# Altium PCB BB.PcbDoc (part 5 of 9)
Units mil, origin at the board's own origin, x right, y up, seen from the top; angles counter-clockwise.
Board outline 6860 x 3500 mil, 6 copper layers (Component Side, Ground Plane (GND), Inner Layer 1, Inner Layer 2, Power Plane (VCC), Solder Side), stack 51.068 mil thick; 496 components, 500 nets, 2194 pads, 1226 vias.
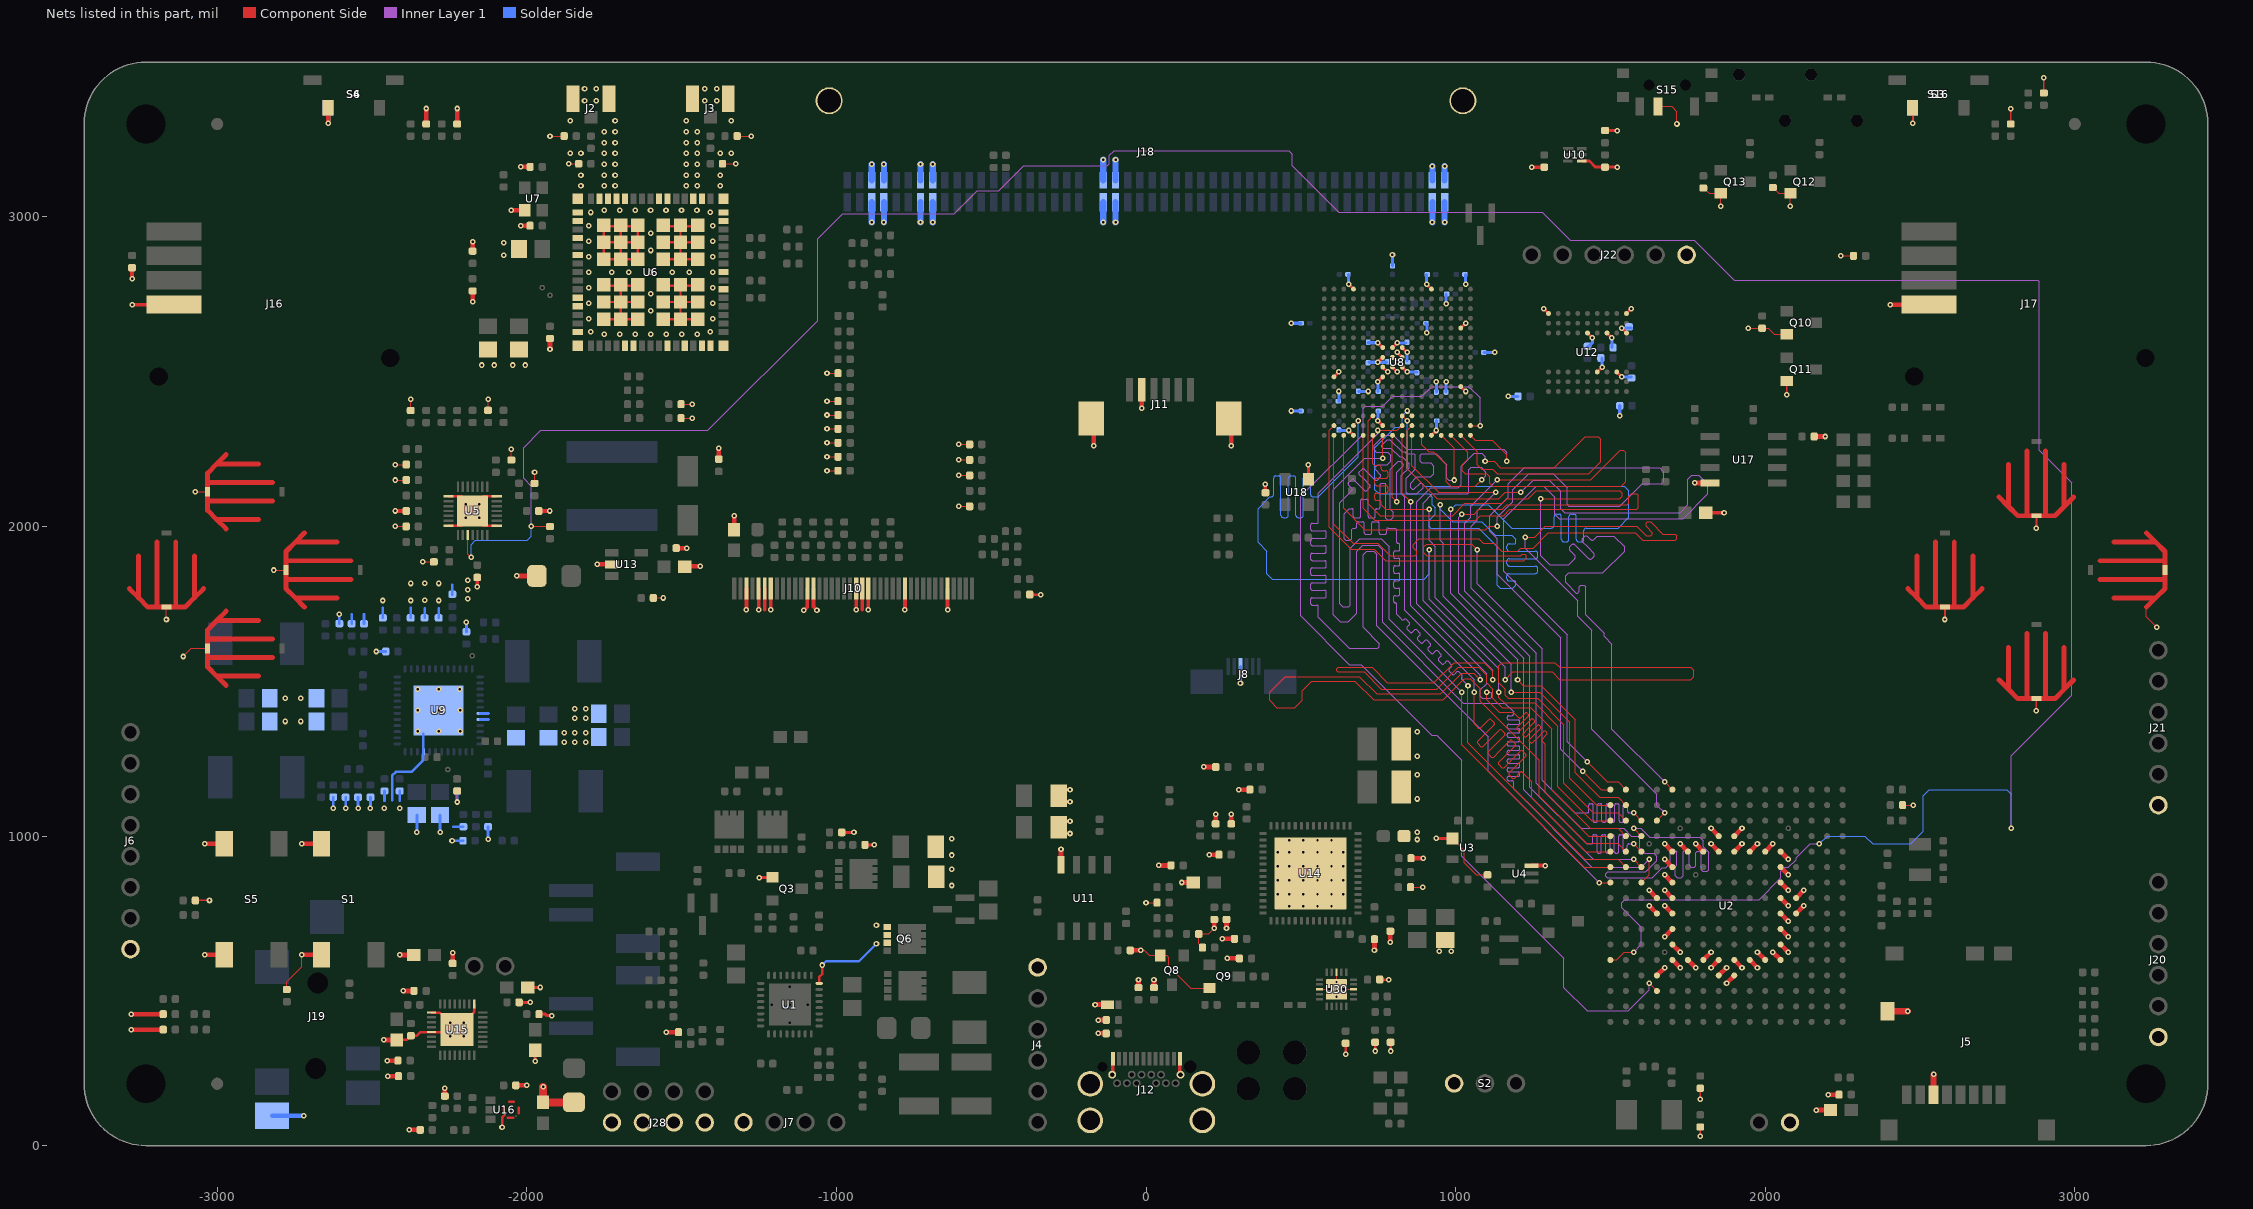
[diagram p9: the nets of this part, all layers, seen from the top]

## Via types
v1: diameter 18, hole 8, Component Side to Solder Side, tented both sides, 1183 vias
v2: diameter 19.68, hole 8, Component Side to Solder Side, tented bottom, 32 vias
v3: diameter 19.68, hole 7.87, Component Side to Solder Side, tented bottom, 4 vias
v4: diameter 19.68, hole 8, Component Side to Solder Side, tented both sides, 4 vias
v5: diameter 18, hole 8, Component Side to Solder Side, tented bottom, 3 vias

## Nets (pads, with @x,y where several pads share a name; then routed paths per layer and width w, separated by ;. In a path a pad name is that pad's centre, name@x,y a point inside that pad or via, vN(x,y) a via of type N, cw(c..) or ccw(c..) an arc to the next point about the centre after c; other vN are vias at no path point) (continued)
GND: C8.1 C9.1 C10.1 C11.1 C12.1 C13.1 C14.1 C23.1 C26.1 C27.1 C28.1 C29.1 C30.1 C31.1 C32.1 C36.2 C37.2 C42.1 C45.1 C46.1 C47.1 C48.1 C49.1 C50.1 C51.1 C52.1 C53.1 C54.1 C55.1 C56.1 C57.1 C58.1 C59.1 C60.1 C61.1 C62.1 C65.1 C66.1 C67.1 C68.1 C69.1 C70.1 C71.1 C72.1 C73.1 C74.1 C75.1 C76.1 C77.1 C78.1 C79.1 C80.1 C82.1 C83.1 C84.1 C85.1 C86.1 C87.1 C88.1 C89.1 C90.1 C92.1 C93.1 C94.1 C95.1 C96.1 C97.1 C100.1 C101.1 C102.1 C103.1 C106.1 C107.2 C108.2 C109.1 C110.1 C111.1 C112.1 C113.1 C114.1 C115.1 C116.1 C117.1 C118.1 C119.1 C120.1 C121.1 C122.1 C123.1 C124.1 C125.1 C126.1 C127.1 C128.1 C129.1 C130.1 C131.1 C132.1 C133.1 C134.1 C135.1 C136.1 C137.1 C139.1 C140.1 C141.1 C142.1 C143.1 C145.1 C146.1 C147.1 C148.1 C149.1 C151.1 C152.1 C153.1 C154.1 C155.1 C156.1 C158.1 C159.1 C160.1 C161.1 C162.1 C163.1 C164.1 C165.1 C170.1 C171.1 D7.2 J1.2 J2.1 J2.2 J3.1 J3.2 J4.1 J5.6 J5.9 J6.8 J7.1 J8.4 J10.3 J10.5 J10.6 J10.7 J10.13 J10.14 J10.21 J10.22 J10.23 J10.29 J10.36 J11.2 J11.MP1 J11.MP2 J12.A1 J12.A12 J12.B1 J12.B12 J12.M1 J12.M2 J12.M3 J12.M4 J16.4 J17.4 J18.5 J18.6 J18.7 J18.8 J18.13 J18.14 J18.15 J18.16 J18.41 J18.42 J18.43 J18.44 J18.95 J18.96 J18.97 J18.98 J18.G1 J18.G2 J19.1 J20.1 J21.1 J22.1 J28.1 J28.2 J28.3 J28.4 L2.1 L3.1 L5.1 L6.1 Q3.1 Q6.1 Q6.2 Q6.3 Q8.2 Q9.2 Q10.2 Q11.2 Q12.2 Q13.2 R6.2 R7.2 R8.2 R9.2 R10.2 R11.2 R12.2 R13.2 R14.2 R15.2 R16.2 R27.2 R34.2 R35.1 R45.1 R52.2 R55.1 R60.1 R75.2 R76.2 R77.1 R78.1 R105.2 R106.2 R107.2 R129.2 R131.2 R132.2 R135.1 R137.1 R148.1 R149.1 R154.2 R156.1 R159.2 R160.2 R161.2 R162.2 R164.2 R166.2 R170.2 R183.2 R184.2 R188.2 R189.2 R192.2 R194.2 R196.1 S1.3 S1.4 S2.1 S3.2 S4.2 S5.3 S5.4 S6.1 S7.2 S8.2 S9.2 S10.2 S11.2 S12.2 S13.2 S14.2 S15.2 S16.1 T2.2 T19.2 U1.24 U2.D8 U2.D9 U2.E5 U2.E6 U2.E7 U2.E8 U2.E9 U2.E10 U2.E11 U2.E12 U2.F5 U2.F12 U2.G5 U2.G12 U2.H4 U2.H5 U2.H12 U2.H13 U2.J4 U2.J5 U2.J12 U2.J13 U2.K5 U2.K12 U2.L5 U2.L12 U2.M5 U2.M6 U2.M7 U2.M8 U2.M9 U2.M10 U2.M11 U2.M12 U2.N8 U2.N9 U2.N13 U3.1 U4.3 U5.1 U5.7 U5.15 U5.21 U5.29 U6.1 U6.7 U6.9 U6.15 U6.16 U6.17 U6.19 U6.20 U6.23 U6.24 U6.28 U6.29 U6.30 U6.31 U6.33 U6.34 U6.35 U6.37 U6.39 U6.44 U6.45 U6.48 U6.49 U6.54 U6.55 U6.59 U6.61 U6.63 U6.64 U6.G1 U6.G2 U6.G3 U6.G4 U6.G5 U6.G6 U6.G7 U6.G8 U6.G9 U6.G10 U6.G11 U6.G12 U6.G13 U6.G14 U6.G15 U6.G16 U6.G17 U6.G18 U6.G19 U6.G20 U6.G21 U6.G22 U6.G23 U6.G24 U6.G25 U6.G26 U6.G27 U6.G28 U6.G29 U6.G30 U6.G31 U6.G32 U6.G33 U6.G34 U6.G35 U6.G36 U7.2 U8.A4 U8.A12 U8.E15 U8.G7 U8.G8 U8.G9 U8.H7 U8.H8 U8.H9 U8.J7 U8.J8 U8.J9 U8.K2 U8.K7 U8.L15 U8.R7 U8.T4 U8.T12 U9.7 U9.8 U9.21 U9.49 U10.4 U11.4 U12.A1 U12.A3 U12.B7 U12.C3 U12.D7 U12.E3 U12.J1 U13.2 U14.57 U15.17 U15.25 U15.29 U15.33 U16.4 U17.4 U18.2 U30.8 U30.13 U30.18 U30.21@615.32,505 | length 15946.1
  Component Side w4: v1(-3163.78,1699.5) S12.2@-3163.78,1739.25 ; v1(-3110,1580) -3083.7,1606.3 S10.2@-3030.83,1606.3 ; v1(-3070.58,2112.21) S14.2@-3030.83,2112.21 ; v1(-2817.63,1859.25) S13.2@-2777.87,1859.25 ; C67.1@-2775,504.37 -2775,530 -2727.17,577.83 v1(-2727.17,616.73) ; v1(-2425.32,2000) C55.1@-2389.68,2000 ; v1(-2425,2150) C52.1@-2389.37,2150 ; v1(-2425,2200) C54.1@-2389.37,2200 ; C58.1@-2375,2374.69 v1(-2375,2410.32) ; v1(-2335.94,1885.63) C53.1@-2300.32,1885.63 ; v1@-2224.59,1110 R135.1@-2224.59,1145.28 ; C60.1@-2125.06,2375 v1(-2125.06,2410.63) ; C59.1@-2050,2214.37 v1(-2050,2250) ; C61.1@-1975,2139.04 v1(-1975,2174.67) ; v1(-1925,3260.81) L3.1@-1879.37,3260.81 ; v1(-1865,3171.44) L2.1@-1832.28,3171.44 ; R106.2@-1591.14,1769 v1(-1559.75,1769) ; R77.1@-1501.63,2350 v1(-1466,2350) ; R78.1@-1501.63,2395 v1(-1466,2395) ; L5.1@-1367.72,3171.44 v1(-1325,3171.44) ; L6.1@-1320.63,3260.81 v1(-1275,3260.81) ; v1(-1030.32,2180) R10.2@-994.69,2180 ; v1(-1030.32,2225) R11.2@-994.68,2225 ; v1(-1030.32,2270) R12.2@-994.69,2270 ; v1(-1030.32,2315) R13.2@-994.69,2315 ; v1(-1030.32,2360) R14.2@-994.69,2360 ; v1(-1030.32,2405) R15.2@-994.69,2405 ; v1(-1030.32,2495) R16.2@-994.69,2495 ; v1(-605.32,2065) R6.2@-569.69,2065 ; v1(-605.32,2165) R7.2@-569.69,2165 ; v1(-605.32,2215) R8.2@-569.69,2215 ; v1(-605.32,2265) R9.2@-569.69,2265 ; v1(-16.57,631) -6,631 10,615 45.84,615 Q8.2@46.6,614.24 66.76,614.24 73.6,607.4 73.6,579.4 143.8,509.2 Q9.2@205,509.2 ; v1(0,784.96) 30.39,784.96 R55.1@30.63,785.2 ; R159.2@182.31,640 170.37,651.94 R160.2@170.37,684 202.62,684 v1(220.63,702.01) ; U30.18@560.2,505 v1(591.69,505) v1(615.32,505) ; U30.13@615.32,560.12 v1(615.32,528.62) v1(615.32,505) ; U30.8@670.43,505 v1(638.94,505) v1(615.32,505) ; R164.2@854.37,835 v1(893.74,835) ; U3.1@990.19,992.36 1028,954.55 1028,913.19 1066.51,874.69 R52.2@1103,874.69 ; S15.2@1653.65,3356.7 1698.3,3356.7 1715,3340 v1(1715,3300) ; R170.2@1800,3094.69 1818.49,3076.2 Q13.2@1856.19,3076.2 v1(1856.19,3034.37) ; v1(1945.4,2640.31) R189.2@1990,2640.31 2009.69,2640.31 2029.4,2620.6 Q10.2@2069.76,2620.6 ; R129.2@2025,3094.69 2043.49,3076.2 Q12.2@2081.19,3076.2 v1(2081.19,3034.37) ; v1(2243.49,2874.02) C87.1@2285.32,2874.02 ; R183.2@2443.7,1100 v1(2478.39,1100) ; 3231.06,1739.25 3231.06,1708.94 v1(3265,1675)
  Component Side w5: C56.1@-3070.45,792 v1(-3024.82,792) ; v1(2069.76,2425) Q11.2@2069.76,2469.6 ; v1(2476.38,3302.3) S3.2@2476.38,3351.97 ; C51.1@2793.11,3300 v1(2793.11,3349.67) ; C93.1@2900,3400 v1(2900,3449.67)
  Component Side w6: v1(1790.18,30.14) R60.1@1790.18,60.45 ; v1(1790.18,150.57) C86.1@1790.18,185.45 ; v1(2580.51,1699.5) S8.2@2580.51,1739.25 ; v1(2875.33,1405) S9.2@2875.33,1443.52 ; v1(2875.79,1994.77) S7.2@2875.79,2034.53
  Component Side w8: C77.1@-2420.16,341.46 -2388.17,341.46 C78.1@-2374.39,355.24 -2354.67,355.24 -2342.86,367.05 U15.33@-2274.7,367.05 ; U15.25@-2307.68,430.04 -2281.48,430.04 U15.33@-2271.18,419.75 ; U5.7@-2252.76,2002.76 U5.29@-2210,2002.76 ; U5.1@-2252.76,2097.24 U5.29@-2210,2097.24 ; U15.33@-2180.18,421.11 -2169.88,431.4 U15.17@-2169.88,457.6 ; U5.29@-2140,2002.76 U5.15@-2097.24,2002.76 ; U5.29@-2140,2097.24 U5.21@-2097.24,2097.24 ; v1(-2080,60) -2080,91.18 U16.4@-2070.9,100.28 ; -2074.23,108.1 -2074.23,126.28 ; -2061.01,90.92 -2042.89,90.92 ; -2057.29,141.16 -2049.29,141.16 -2041.29,141.16 ; -2026.54,104.75 -2026.54,122.44 ; U6.G33@-1751.57,2777.09 U6.G27@-1696.46,2777.09 ; U6.G34@-1751.57,2862.78 U6.G35@-1751.57,2917.89 U6.G36@-1751.57,2970 ; U6.G36@-1751.57,2973.01 U6.G36@-1751.57,2970 ; U6.G31@-1748.56,2669.86 U6.G25@-1696.46,2669.86 ; U6.G32@-1748.56,2724.98 U6.G26@-1696.46,2724.98 ; U6.G34@-1748.56,2862.78 U6.G28@-1696.46,2862.78 ; U6.G35@-1748.56,2917.89 U6.G29@-1696.46,2917.89 ; U6.G20@-1644.35,2724.98 U6.G26@-1696.46,2724.98 ; U6.G23@-1644.35,2917.89 U6.G29@-1696.46,2917.89 ; U6.G19@-1641.34,2669.86 U6.G25@-1696.46,2669.86 ; U6.G21@-1641.34,2777.09 U6.G27@-1696.46,2777.09 ; U6.G24@-1641.34,2973.01 U6.G24@-1641.34,2970 ; U6.G15@-1558.66,2777.09 U6.G9@-1503.54,2777.09 ; U6.G18@-1558.66,2970 U6.G12@-1503.54,2970 ; U6.G13@-1555.65,2669.86 U6.G7@-1503.54,2669.86 ; U6.G14@-1555.65,2724.98 U6.G8@-1503.54,2724.98 ; U6.G16@-1555.65,2862.78 U6.G10@-1503.54,2862.78 ; U6.G17@-1555.65,2917.89 U6.G11@-1503.54,2917.89 ; U6.G2@-1451.44,2724.98 U6.G8@-1503.54,2724.98 ; U6.G5@-1451.44,2917.89 U6.G11@-1503.54,2917.89 ; U6.G1@-1448.43,2669.86 U6.G7@-1503.54,2669.86 ; U6.G3@-1448.43,2777.09 U6.G9@-1503.54,2777.09 ; U6.G4@-1448.43,2862.78 U6.G10@-1503.54,2862.78 ; U6.G6@-1448.43,2970 U6.G12@-1503.54,2970 ; U1.24@-1055.59,524.39 -1055.59,544.27 -1045.59,554.27 v1(-1045.59,583.44) ; R105.2@-375.63,1780 v1(-340,1780) ; v1(645,295) C126.1@645,330.63 ; v1(740,305.71) R161.2@740,333.82 ; C125.1@754.68,536.5 v1(783.5,536.5) ; v1(789.9,305.71) R162.2@789.9,333.82 ; U6.G36@-1751.57,2970 U6.G30@-1696.46,2970 ; U6.G25@-1696.46,2669.86 U6.G26@-1696.46,2724.98 ; U6.G26@-1696.46,2724.98 U6.G27@-1696.46,2777.09 ; U6.G28@-1696.46,2862.78 U6.G29@-1696.46,2917.89 ; U6.G28@-1696.46,2862.78 U6.G22@-1641.34,2862.78 U6.G23@-1641.34,2917.89 U6.G24@-1641.34,2970 ; U6.G29@-1696.46,2917.89 U6.G30@-1696.46,2970 ; U6.G30@-1696.46,2970 U6.G24@-1641.34,2970 ; U6.G7@-1503.54,2669.86 U6.G8@-1503.54,2724.98 ; U6.G8@-1503.54,2724.98 U6.G9@-1503.54,2777.09 ; U6.G10@-1503.54,2862.78 U6.G11@-1503.54,2917.89 ; U6.G11@-1503.54,2917.89 U6.G12@-1503.54,2970
  Component Side w10: C80.1@-2024.73,463 v1(-1988.73,463) ; C79.1@-1997.17,511 v1(-1957.17,511) ; v1(-1972.88,272.3) C73.1@-1972.88,307.82 ; C76.1@-1960.63,425 -1940,425 -1935,420 v1(-1920,420) ; v1(-1249.8,865.92) Q3.1@-1206.49,865.92 ; R27.2@-982.76,1011.83 v1(-943.23,1011.83) ; C23.1@-907.72,971.55 v1(-877.09,971.55) ; U18.2@524.41,2152.56 v1(524.41,2199.8) ; U8.K2@607.09,2483.27 v1(622.83,2499.02) ; v1(654.33,2310.04) U8.T4@670.08,2294.29 ; v1(654.33,2782.48) U8.A4@670.08,2766.73 ; v1(748.82,2341.53) U8.R7@764.57,2325.79 ; v1(748.82,2467.52) U8.K7@764.57,2483.27 ; v1(748.82,2530.51) U8.H7@764.57,2546.26 ; v1(748.82,2593.5) U8.G7@764.57,2577.76 ; U8.J7@764.57,2514.76 v1(780.31,2499.02) ; U8.J8@796.06,2514.76 v1(811.81,2499.02) ; U8.H8@796.06,2546.26 v1(811.81,2530.51) ; U8.G8@796.06,2577.76 v1(811.81,2593.5) ; v1(811.81,2562.01) U8.H9@827.56,2546.26 ; U8.J9@827.56,2514.76 v1(843.31,2499.02) ; U8.G9@827.56,2577.76 v1(843.31,2562.01) ; v1(906.3,2782.48) U8.A12@922.05,2766.73 ; U8.T12@922.05,2294.29 v1(937.8,2310.04) ; v1(937.36,992.36) U3.1@990.19,992.36 ; U8.L15@1016.54,2451.77 v1(1032.28,2436.02) ; U8.E15@1016.54,2640.75 v1(1032.28,2656.5) ; v1(1246.36,3160.3) C31.1@1286.36,3160.3 ; v1(1284.25,2703.74) U12.J1@1300,2687.99 ; U10.4@1407.64,3180.32 1432.32,3180.31 1452.01,3160.63 C103.1@1482.64,3160.63 v1(1522.64,3160.63) ; U12.E3@1425.98,2625 v1(1441.73,2609.25) ; U12.D7@1457.48,2499.02 v1(1473.23,2514.76) ; C57.1@1482.64,3278.74 v1(1522.64,3278.74) ; U12.C3@1488.98,2625 v1(1504.72,2609.25) ; U12.B7@1520.47,2499.02 v1(1536.22,2483.27) ; v1(1536.22,2640.75) U12.A3@1551.97,2625 ; U12.A1@1551.97,2687.99 v1(1567.72,2703.74) ; T2.2@1807.87,2044.25 v1(1866.93,2044.25)
  Component Side w12: v1(-3275,2800) C85.1@-3275,2835.63 ; v1(-3274.02,2716.55) J16.4@-3139.75,2716.55 ; v1(-2425,2050) C8.1@-2389.37,2050 ; v1(-2160,1805) C9.1@-2160,1835.63 ; C10.1@-1961.38,2050 v1(-1925.75,2050) ; v1(-1290.55,1731.22) J10.3@-1290.55,1800 ; v1(-1251.18,1731.22) J10.5@-1251.18,1800 ; -1231.5,1731.22 J10.6@-1231.5,1800 ; v1(-1211.81,1731.22) J10.7@-1211.81,1800 ; v1(-1105,1729.33) -1093.7,1740.63 J10.13@-1093.7,1800 ; J10.14@-1074.02,1800 -1074.02,1740.63 v1(-1062.72,1729.33) ; v1(-936.22,1731.22) J10.21@-936.22,1800 ; -916.54,1731.22 J10.22@-916.54,1800 ; v1(-896.85,1731.22) J10.23@-896.85,1800 ; v1(-778.74,1731.22) J10.29@-778.74,1800 ; v1(-640.94,1731.22) J10.36@-640.94,1800 ; J12.B12@-107.17,229.21 J12.A1@-107.17,280.79 ; J12.B1@109.37,229.21 J12.A12@109.37,280.79 ; C170.1@385.54,2109.25 v1(385.54,2136.81) ; U4.3@1245.2,904.59 v1(1290,904.59)
  Component Side w15: v1(-3277.95,374.96) R131.2@-3174.37,374.96 ; v1(-3277.95,425) R132.2@-3174.37,425 ; v1(-3040.75,616.73) S5.4@-2977.17,616.73 ; v1(-3040.75,975) S5.3@-2977.17,975 ; v1(-2727.17,616.73) S1.4@-2663.58,616.73 ; v1(-2727.17,975) S1.3@-2663.58,975 ; v1(-2641.73,3301.97) S4.2@-2641.73,3351.97 ; v1(-2461.52,341.46) C77.1@-2420.16,341.46 ; v1(-2451.22,274.75) C82.1@-2416.22,274.75 ; v1(-2449.53,224.75) C84.1@-2414.53,224.75 ; v1(-2410.5,616) C109.1@-2364.93,616 ; v1(-2399.37,499.75) C83.1@-2364.37,499.75 ; v1(-2379.37,51) C108.2@-2344.37,51 ; C50.1@-2325,3300 v1(-2325,3350) ; C107.2@-2264.74,160.12 v1(-2264.74,185.75) ; C110.1@-2239.42,588.79 v1(-2239.42,623.79) ; C92.1@-2225,3300 v1(-2225,3350) ; v1(-2175,2726.44) R75.2@-2175,2760.63 ; R76.2@-2175,2889.37 v1(-2175,2920) ; v1(-2050,3021.44) U7.2@-2007.09,3021.44 ; C106.1@-2035.5,195 v1(-2000.5,195) ; v1(-2032.71,1840.2) R107.2@-1967.24,1840.2 ; v1(-2020,2971.44) C29.1@-1989.37,2971.44 ; v1(-2020,3161.44) C42.1@-1989.37,3161.44 ; v1(-1925,2572.87) C13.1@-1925,2607.07 ; v1(-1772.91,1877.6) U13.2@-1725,1877.6 ; v1(-1549.52,366.91) R35.1@-1509.99,366.91 ; C48.1@-1516.51,1929 C48.1@-1517.51,1930 v1(-1483.88,1930) ; C47.1@-1489.95,1870 -1488.95,1871 v1(-1439.88,1871) ; C49.1@-1380,2217.37 v1(-1380,2253) ; C62.1@-1330.33,1989.93 v1(-1330.33,2035.2) ; U11.4@-274.53,907.17 v1(-274.53,957.17) ; v1(-169.2,2260) J11.MP1@-169.2,2349.02 ; v1(-164.69,455.79) D7.2@-124.76,455.79 ; v1(-154.45,362.64) C124.1@-128.82,362.64 ; v1(-153.74,405.79) C122.1@-128.11,405.79 ; C96.1@-50.87,631 v1(-16.57,631) ; C121.1@-24.21,510.67 v1(-24.21,536.3) ; v1(-13.81,2381.19) J11.2@-13.81,2441.54 ; C123.1@25.79,510.67 v1(25.79,536.3) ; v1(41.26,905.1) R148.1@80.63,905.1 ; v1(115,850) 152.95,850 C101.1@153.07,850.08 ; v1(185.91,1223.27) R137.1@225.28,1223.27 ; v1@208.07,940 C100.1@235.63,940 ; v1(220.63,702.01) R45.1@220.63,730.63 ; R149.1@225,1039.58 v1(225,1070) ; v1(246.26,668) C75.1@285.63,668 ; v1(260,702.01) C102.1@260,730.63 ; v1(262.26,605) C30.1@301.63,605 ; R156.1@275.35,1039.58 v1(275.35,1070) ; v1(275.69,2260) J11.MP2@275.69,2349.02 ; v1(300,1150) C74.1@335.63,1150 ; v1(737.95,631.57) C97.1@737.95,667.01 ; v1(789.13,657.17) C28.1@789.13,692.6 ; R154.2@856.06,928.6 v1(895.43,928.6) ; v1(1625,774.82) U2.N9@1650,749.82 ; v1(1625,824.82) U2.N8@1650,799.82 ; U2.N13@1650,549.82 v1(1675,574.82) ; v1(1675,674.82) U2.M10@1700,699.82 ; v1(1675,774.82) U2.M9@1700,749.82 ; v1(1675,824.82) U2.M8@1700,799.82 ; v1(1675,874.82) U2.M7@1700,849.82 ; v1(1675,924.82) U2.M6@1700,899.82 ; v1(1675,974.82) U2.M5@1700,949.82 ; U2.M12@1700,599.82 v1(1725,574.82) ; U2.M11@1700,649.82 v1(1725,624.82) ; v1(1725,974.82) U2.L5@1750,949.82 ; U2.L12@1750,599.82 v1(1775,574.82) ; v1(1772.44,2140.55) U17.4@1821.65,2140.55 ; v1(1775,974.82) U2.K5@1800,949.82 ; U2.K12@1800,599.82 v1(1825,624.82) ; v1(1825,574.82) U2.J12@1850,599.82 ; v1(1825,974.82) U2.J5@1850,949.82 ; v1(1825,1025) U2.J4@1850,1000 ; U2.J13@1850,549.82 v1(1875,574.82) ; v1(1875,524.39) U2.H13@1900,549.39 ; U2.H12@1900,599.82 v1(1925,574.82) ; U2.H5@1900,949.82 v1(1925,974.82) ; U2.H4@1900,999.82 v1(1925,1024.82) ; U2.G12@1950,599.82 v1(1975,574.82) ; U2.G5@1950,949.82 v1(1975,974.82) ; v1(1975,624.82) U2.F12@2000,599.82 ; U2.F5@2000,949.82 v1(2025,974.82) ; v1(2025,624.82) U2.E12@2050,599.82 ; U2.E11@2050,649.82 v1(2075,624.82) ; U2.E10@2050,699.82 v1(2075,674.82) ; U2.E9@2050,749.82 v1(2075,724.82) ; U2.E8@2050,799.82 v1(2075,774.82) ; U2.E7@2050,849.82 v1(2075,824.82) ; U2.E6@2050,899.82 v1(2075,874.82) ; U2.E5@2050,949.82 v1(2075,924.82) ; U2.D9@2100,749.82 v1(2125,774.82) ; U2.D8@2100,799.82 v1(2125,824.82) ; C171.1@2158.27,2290.55 v1(2193.9,2290.55) ; v1(2165,115) C45.1@2210.94,115 ; v1(2203.15,165) C46.1@2238.5,165 ; v1(2404.55,2716.55) J17.4@2529.55,2716.55
  Component Side w20: J5.9@2395,434.21 v1(2460.47,434.21) ; J5.6@2543.82,164.53 v1(2543.82,230)
  Component Side w25: v1(-1947.4,190) T19.2@-1947.4,139.72 R34.2@-1847.58,139.72
  Solder Side w5: v1(2476.38,3302.3) S16.1@2476.38,3351.97
  Solder Side w8: -2435,1115 -2435,1195 -2423,1207 -2373,1207 -2333.74,1246.26 U9.21@-2333.74,1272.28 U9.49@-2333.74,1331.14 ; v1(-1045.59,583.44) -1033.34,595.69 -927.19,595.69 v1(-870.55,652.32)
  Solder Side w9: -2625,1100 R188.2@-2625,1125.63 ; R192.2@-2605.53,1686.14 v1(-2605.53,1716.77) ; -2585,1099.69 C147.1@-2585,1125.31 ; C153.1@-2565.53,1685.83 -2565.53,1716.46 ; -2545,1099.69 C148.1@-2545,1125.31 ; C154.1@-2525.53,1685.83 -2525.53,1716.46 ; -2505,1099.69 C149.1@-2505,1125.31 ; v1(-2485.84,1596.14) C155.1@-2455.21,1596.14 ; R196.1@-2465.53,1705.83 -2465.53,1736.46 ; -2460,1114 C156.1@-2460,1145.31 ; -2410.5,1114 C158.1@-2410.5,1145.31 ; R194.2@-2374.69,1705.83 -2374.69,1736.46 ; v1(-2355,1012.28) C160.1@-2355,1067.6 ; C137.1@-2329.53,1705.51 -2329.53,1736.14 ; C115.1@-2284.53,1705.51 -2284.53,1736.14 ; v1(-2280,1012.28) C159.1@-2280,1067.6 ; C114.1@-2240.84,1780.51 -2240.84,1780.83 -2240.84,1811.14 ; v1@-2237.51,984.83 C141.1@-2206.2,984.83 ; -2236.31,1030.32 C142.1@-2205,1030.32 ; v1@-2225,1114 C143.1@-2225,1145.31 ; R166.2@-2195,1659.69 v1(-2195,1691) ; U9.7@-2150.67,1396.3 -2123.94,1396.3 ; U9.8@-2150.53,1376.61 -2123.94,1376.61 ; -2125,999 R184.2@-2125,1030.31
  Solder Side w10: v1(305.12,1493.35) J8.4@305.12,1547.24 ; v1(469.29,2373.03) C135.1@500.79,2373.03 ; v1(469.29,2656.5) C132.1@500.79,2656.5 ; C131.1@622.83,2310.04 v1(654.33,2310.04) ; C165.1@622.83,2404.53 v1(622.83,2436.02) ; v1(654.33,2782.48) C117.1@654.33,2813.98 ; C161.1@685.83,2436.02 v1(717.32,2436.02) ; C163.1@717.32,2593.5 v1(748.82,2593.5) ; C133.1@721.02,2530.51 v1(748.82,2530.51) C134.1@776.62,2530.51 ; v1(748.82,2341.53) C129.1@748.82,2373.03 ; C130.1@748.82,2436.02 v1(748.82,2467.52) ; C111.1@796.06,2841.54 v1(796.06,2876.97) ; v1@811.81,2592.8 C95.1@839.61,2592.8 ; C127.1@842.61,2534.2 v1@842.61,2562.01 ; v1(843.31,2499.02) C164.1@874.8,2499.02 ; C162.1@903.31,2656.5 907,2652.8 v1(907,2625) ; v1(906.3,2782.48) C116.1@906.3,2813.98 ; v1(937.8,2310.04) C128.1@937.8,2341.54 ; C94.1@937.8,2434.06 v1(937.8,2467.52) ; C118.1@969.29,2434.06 v1(969.29,2467.52) ; v1(969.29,2719.49) C120.1@969.29,2750.98 ; v1(1032.28,2782.48) C136.1@1032.28,2813.98 ; C119.1@1091.34,2562.01 v1(1126.77,2562.01) ; v1(1169.84,2420.28) C70.1@1201.57,2420.28 ; C71.1@1425.98,2581.69 1429.92,2581.69 1441.73,2593.5 v1(1441.73,2609.25) ; v1@1473.23,2512.8 v1(1473.23,2514.76) C66.1@1473.23,2544.29 ; C65.1@1504.72,2577.76 v1(1504.72,2609.25) ; v1(1530.32,2358.27) C72.1@1530.32,2390 ; v1(1536.22,2483.27) C68.1@1567.72,2483.27 ; v1(1536.22,2640.75) C69.1@1567.72,2640.75
  Solder Side w15: J19.1@-2822.64,96.46 v1(-2720.83,96.46) ; v1(-2641.73,3301.97) S6.1@-2641.73,3351.97
  Solder Side w20: v1(-885.83,2981.93) J18.6@-885.83,3047 ; J18.5@-885.83,3118.5 v1(-885.83,3170) ; v1(-846.46,2981.93) J18.8@-846.46,3047 ; J18.7@-846.46,3118.5 v1(-846.46,3170) ; v1(-728.35,2981.93) J18.14@-728.35,3047 ; J18.13@-728.35,3118.5 v1(-728.35,3170) ; v1(-688.98,2981.93) J18.16@-688.98,3047 ; J18.15@-688.98,3118.5 v1(-688.98,3170) ; v1(-137.8,2981.93) J18.42@-137.8,3047 ; J18.41@-137.8,3118.5 v1(-137.8,3185) ; v1(-98.43,2981.93) J18.44@-98.43,3047 ; J18.43@-98.43,3118.5 v1(-98.43,3185) ; v1(925.19,2981.93) J18.96@925.19,3047 ; J18.95@925.19,3118.5 v1(925.19,3163.57) ; v1(964.56,2981.93) J18.98@964.56,3047 ; J18.97@964.56,3118.5 v1(964.56,3163.57)
  other v1: 615.32,481.38 946.61,627.64 985.98,627.64 -870.55,711.38 -627.56,840.33 -627.56,893.48 -627.56,938.76 204.13,940 -2241.51,984.83 875.75,988.9 -2125,990 -627.56,991.91 -245.49,1008.27 875.75,1012.52 -245.49,1047.64 -2625,1090 -2585,1090 -2545,1090 -2505,1090 -2460,1090 -2410.5,1090 -2225,1110 -245.48,1110.31 875.75,1119.76 -245.48,1149.69 875.75,1198.5 875.75,1257.56 -1879.53,1303.14 -1844.53,1303.14 -1809.53,1303.14 -1879.53,1333.14 -1844.53,1333.14 -1809.53,1333.14 875.75,1336.3 -2352.44,1338.23 -2284.53,1338.23 -2214.65,1338.23 -2779.93,1370.14 -2729.53,1370.14 -1844.53,1381.14 -1809.53,1381.14 -2352.44,1406.14 -2284.53,1406.14 -2214.65,1406.14 -1844.53,1411.14 -1809.53,1411.14 -2779.93,1445.14 -2729.53,1445.14 -2352.44,1474.06 -2284.53,1474.06 -2216.61,1474.06 -2465.53,1760.83 -2374.69,1760.83 -2329.53,1761.14 -2284.37,1760.83 -2190.53,1766.14 -2190.53,1796.14 -2374.69,1815.83 -2329.53,1816.14 -2284.37,1815.83 -2190.53,1826.14 -2145,2521.44 -2105.12,2521.44 -2045,2521.44 -2005.12,2521.44 -1750,2621.44 -1700,2621.44 -1650,2621.44 -1600,2621.44 -1550,2621.44 -1500,2621.11 -1450,2621.11 -1792.91,2628.85 -1407.09,2628.52 -1800,2671.44 -1400,2671.44 -1600,2696.44 -1800,2721.44 -1400,2721.44 -1599.9,2751.44 -1800,2771.44 -1400,2771.44 -1725,2821.44 -1670,2821.34 -1600,2821.44 -1475,2821.44 -1400,2821.44 -1800,2821.54 -1530,2821.54 -1400,2871.44 -1800,2871.54 -2075,2876.56 -1600.1,2891.44 -2075,2916.44 -1400,2921.44 -1800,2921.54 -1600,2946.44 -1400,2971.44 -1800,2971.54 -1792.91,3014.12 -1407.09,3014.35 -1750.33,3021.21 -1700.33,3021.21 -1650.33,3021.21 -1600.33,3021.21 -1550.33,3021.21 -1500.33,3021.21 -1450.33,3021.21 -1825,3100 -1750,3100 -1715,3100 -1485,3100 -1450,3100 -1375,3100 -1825,3135 -1750,3135 -1715,3135 -1485,3135 -1450,3135 -1375,3135 -1750,3170 -1715,3170 -1485,3170 -1450,3170 -1860,3205 -1825,3205 -1750,3205 -1715,3205 -1485,3205 -1450,3205 -1375,3205 -1340,3205 -1750,3240 -1715,3240 -1485,3240 -1450,3240 -1750,3275 -1715,3275 -1485,3275 -1450,3275 -1860,3310 -1715,3310 -1485,3310 -1340,3310 -1813.5,3375 -1775,3375 -1425,3375 -1386.5,3375 -1813.5,3413.5 -1775,3413.5 -1425,3413.5 -1386.5,3413.5